# Altium PCB 6S_SERVO_MODULE.PcbDoc (part 1 of 2)
Units mm, origin at the board's own origin, x right, y up, seen from the top; angles counter-clockwise.
Board outline 69.5 x 39 mm, 4 copper layers (L01_SIG, L02_GND, L03_SIG, L04_GND), stack 0.603 mm thick; 92 components, 60 nets, 311 pads, 423 vias.
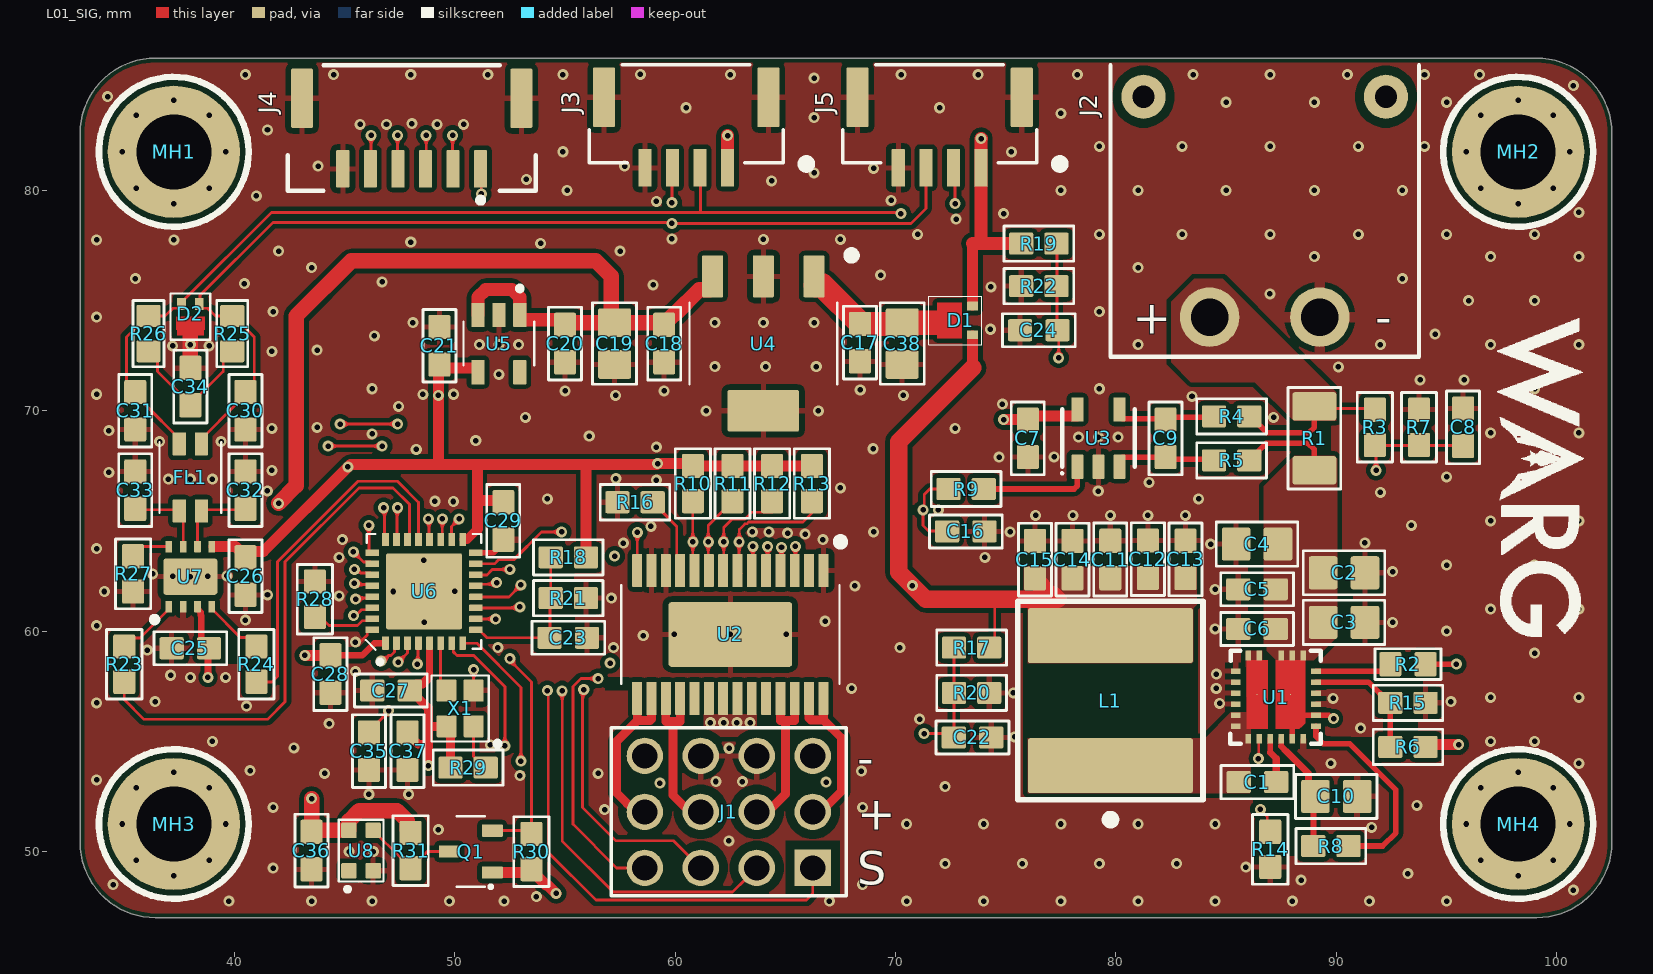
[diagram p0: L01_SIG view]
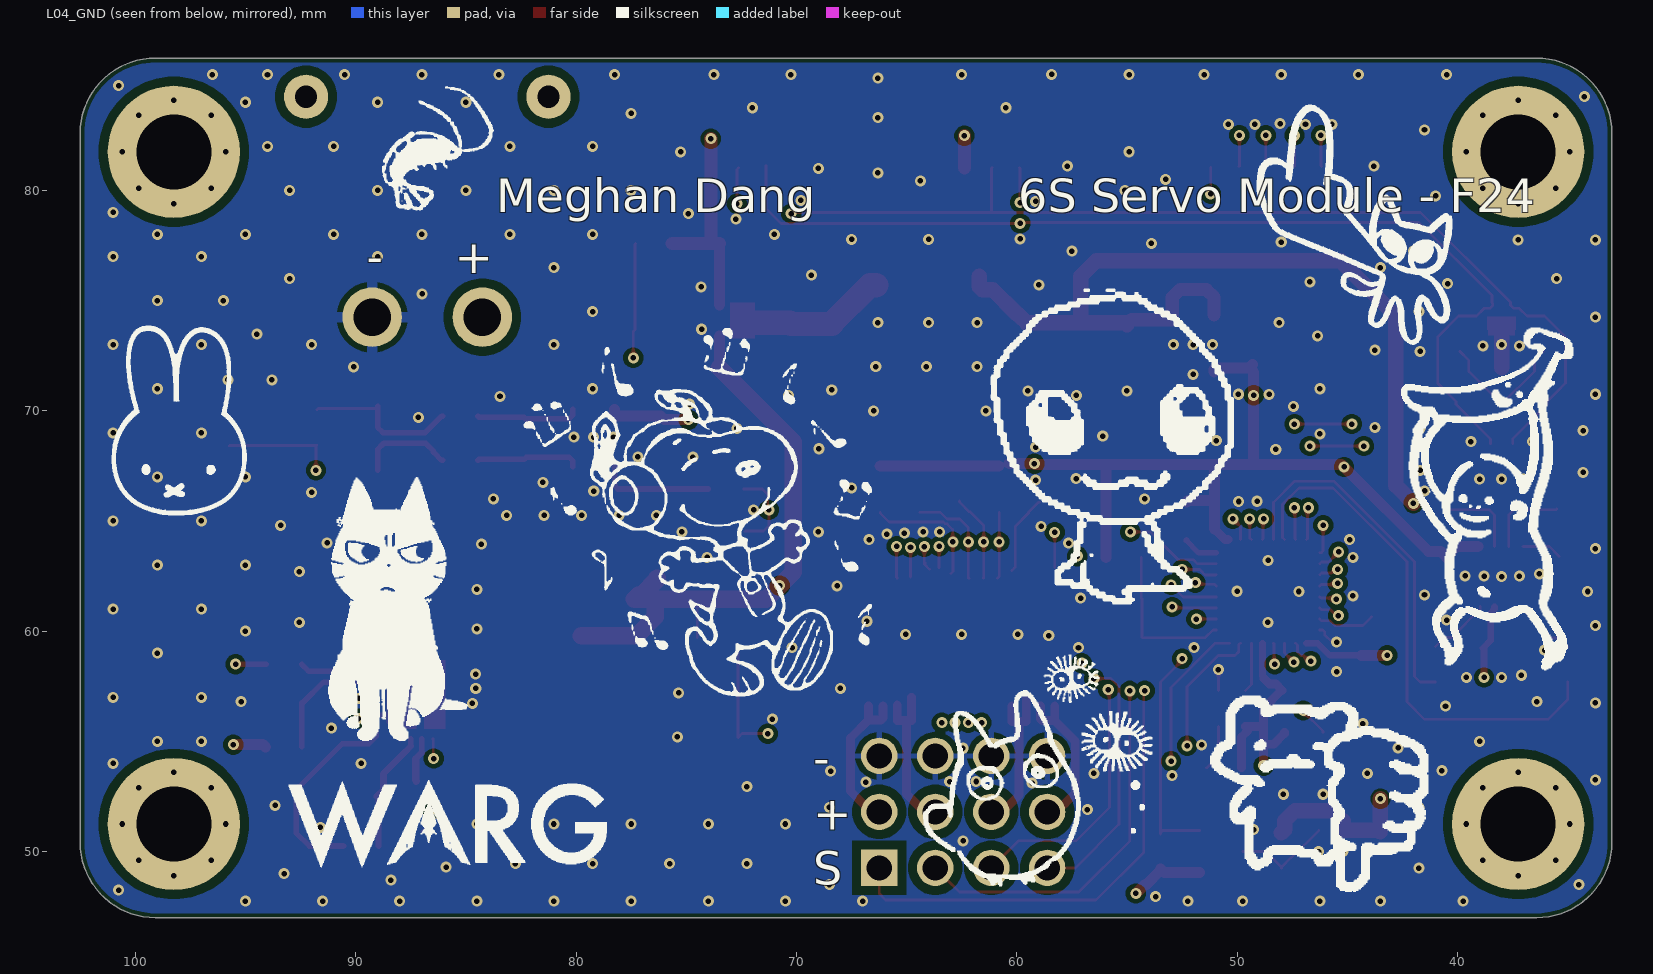
[diagram p1: L04_GND view, seen from below]
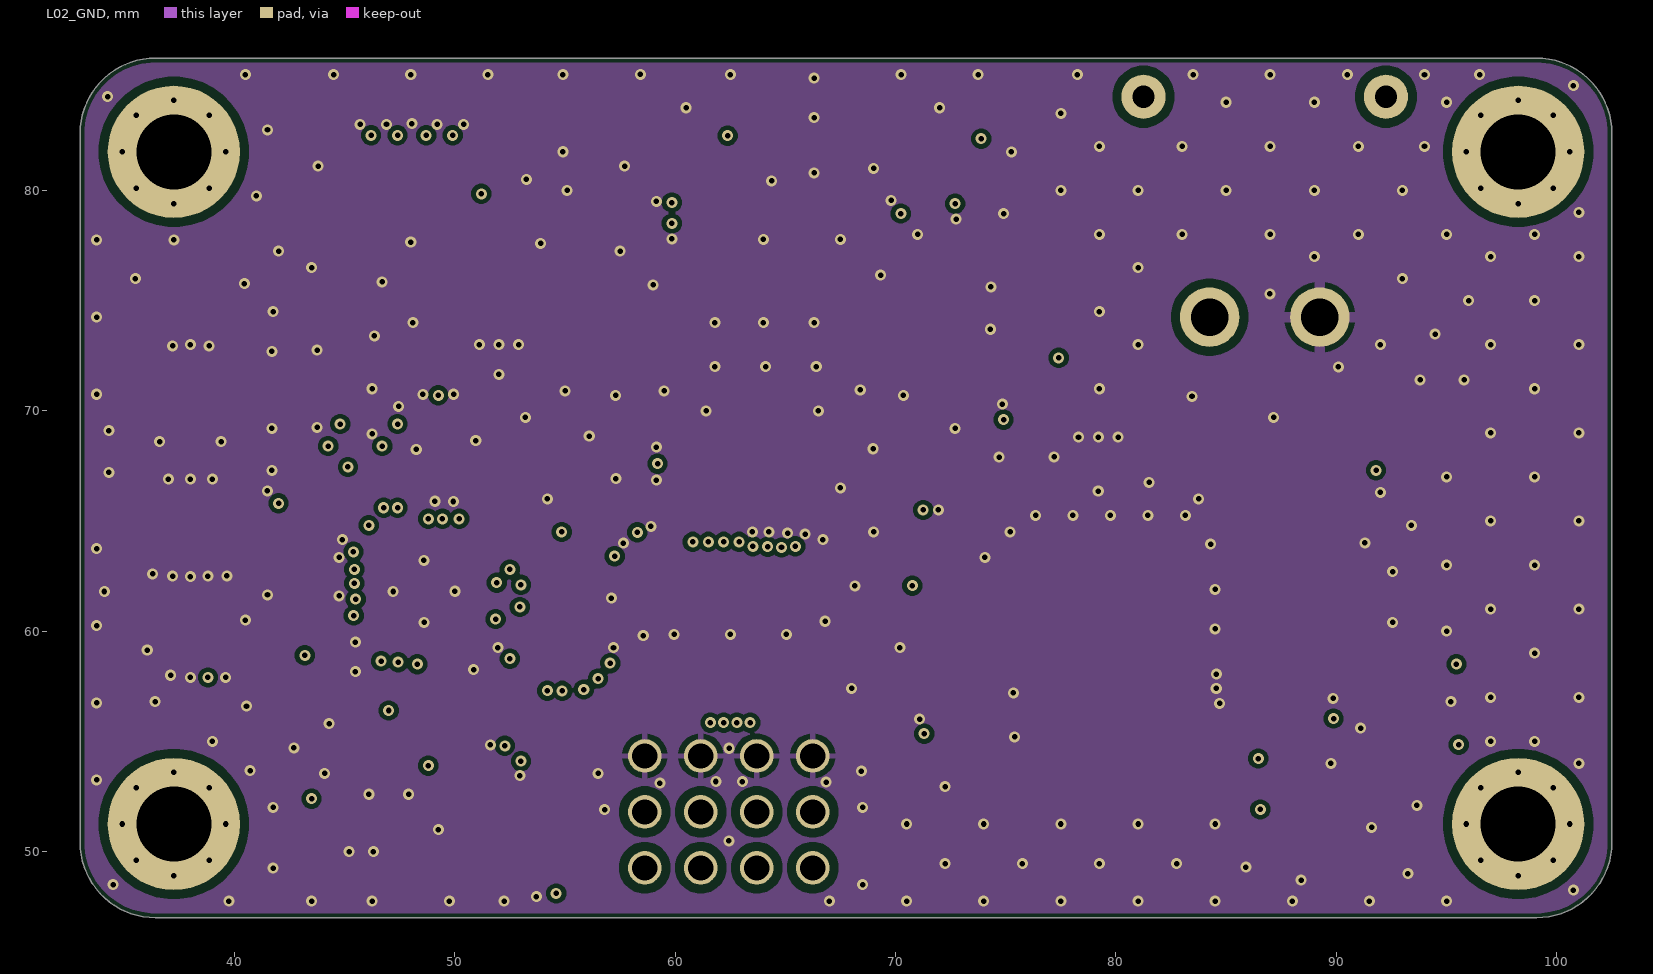
[diagram p2: L02_GND]
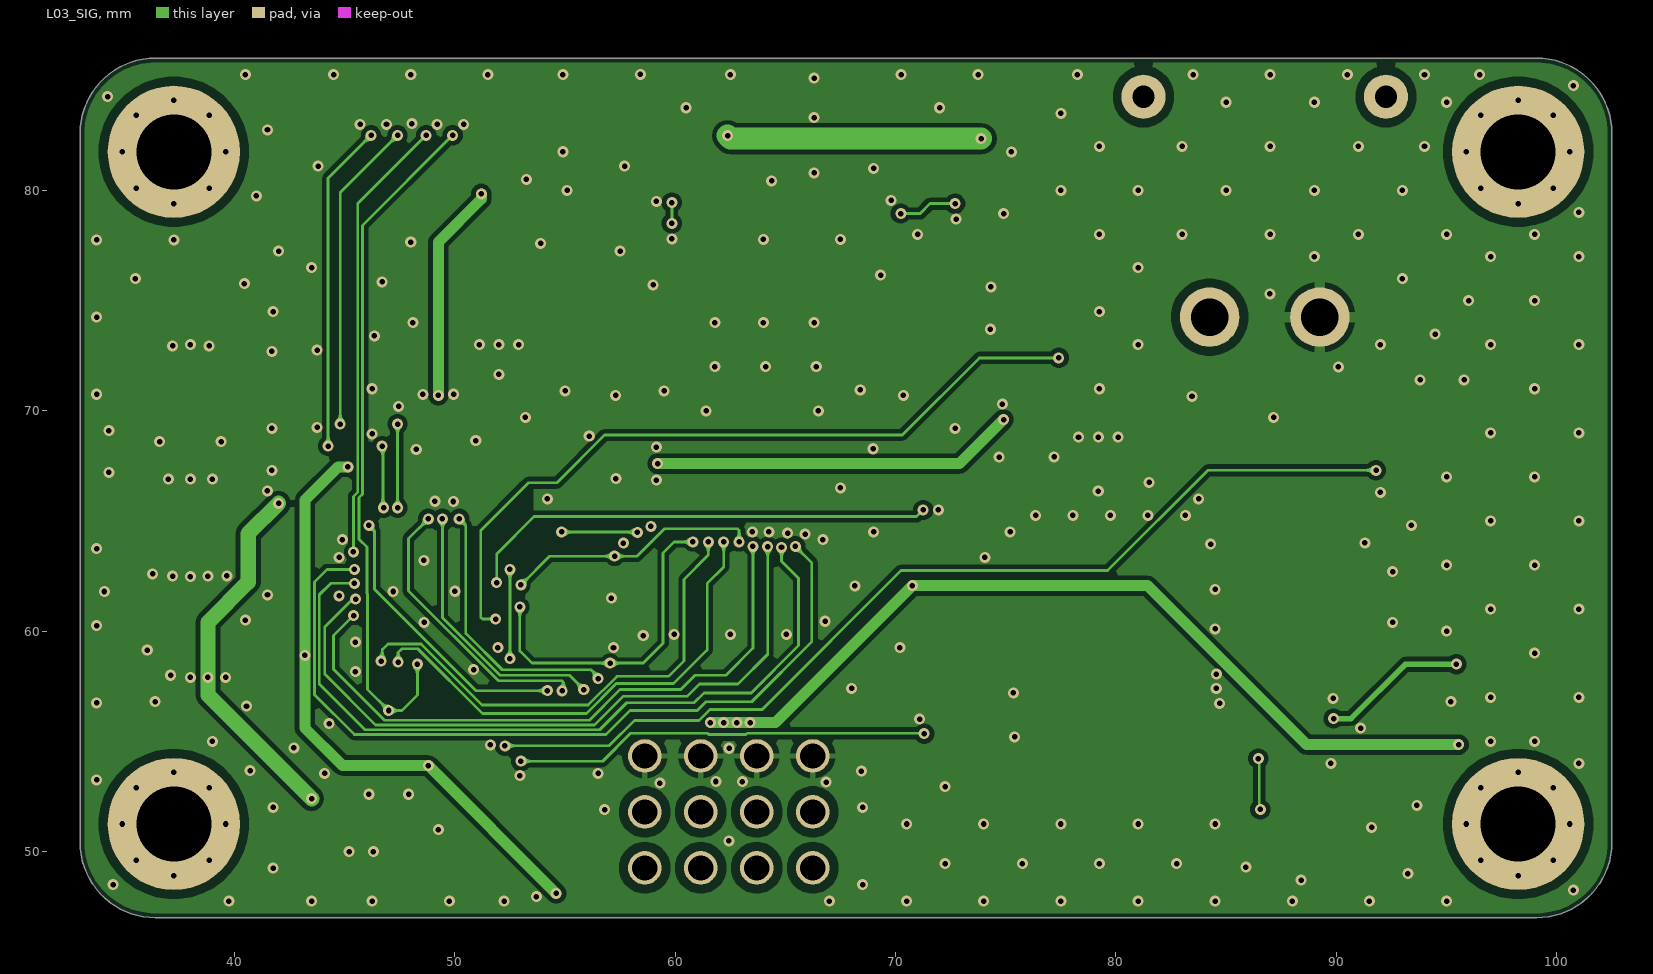
[diagram p3: L03_SIG]
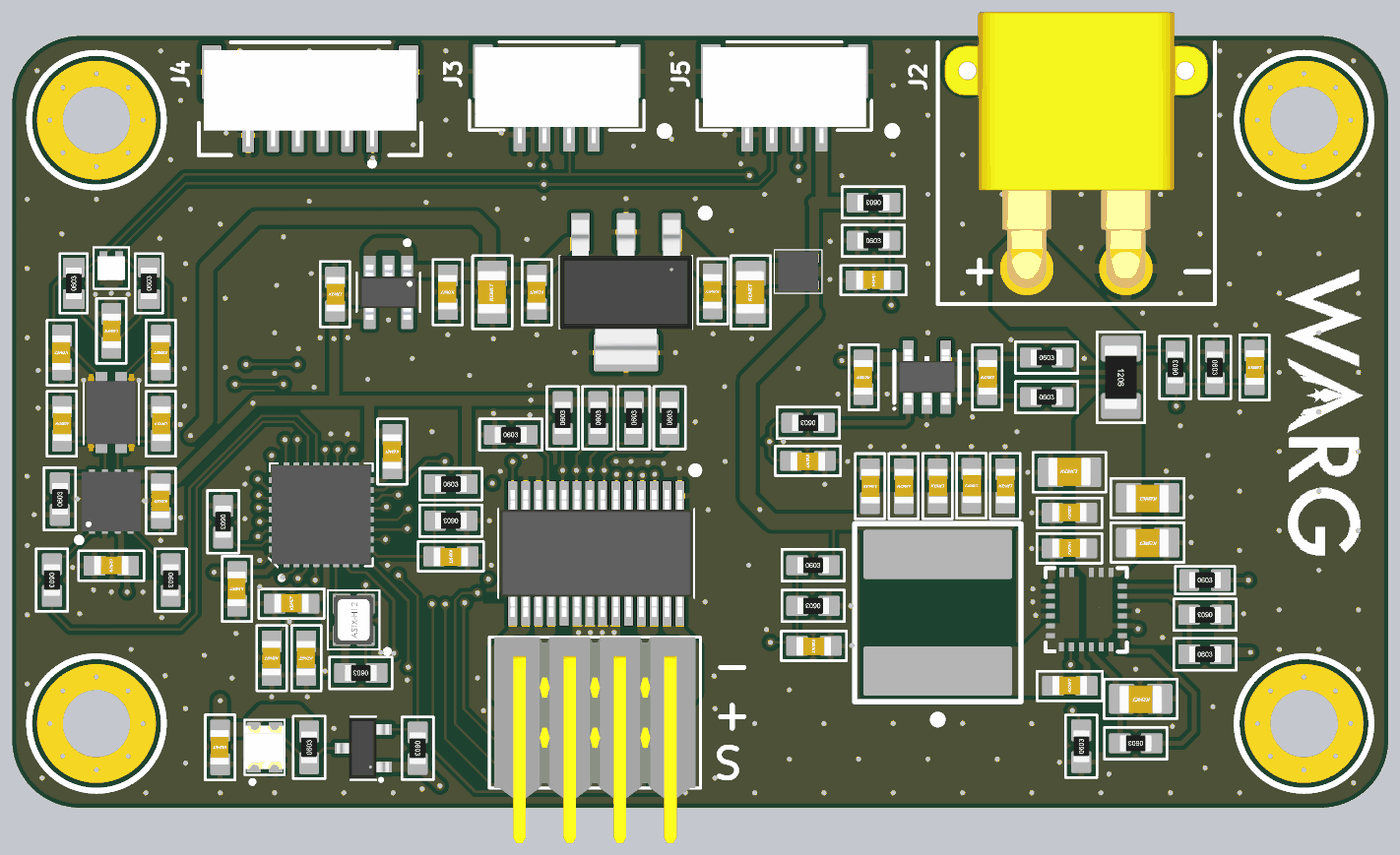
[diagram p5: 3D render of the assembled board from above, using the file's embedded part models]

## Layer stack, top to bottom
Top Solder: solder mask 0.0102, Solder Resist, Dk 3.5
L01_SIG: signal copper 0.035
Dielectric 2: prepreg 0.0711, PP-006, Dk 4.1
L02_GND: signal copper 0.0356
Dielectric 1: dielectric 0.32, FR-4, Dk 4.8
L03_SIG: signal copper 0.0356
Dielectric 3: prepreg 0.0711, PP-006, Dk 4.1
L04_GND: signal copper 0.035
Bottom Solder: solder mask 0.0102, Solder Resist, Dk 3.5

## Board outline
33,50.414 33,82.5 33,82.586 cw(c36.414,82.586) 36.414,86 99.086,86 cw(c99.086,82.586) 102.5,82.586 102.5,50.414 cw(c99.086,50.414) 99.086,47 36.414,47 cw(c36.414,50.414)

## Design rules (kind name [scope] priority, off if disabled: settings)
BoardOutlineClearance [All] p1: gap=0.2 ignorepadtopadclearanceinfootprint=FALSE except(0.4: Arc-SplitBarrior Arc-SplitContinuation Track-SplitBarrior Track-SplitContinuation SMDPad-SplitBarrior SMDPad-SplitContinuation THPad-SplitBarrior THPad-SplitContinuation Via-SplitBarrior Via-SplitContinuation Fill-SplitBarrior Fill-SplitContinuation Poly-SplitBarrior Poly-SplitContinuation Region-SplitBarrior Region-SplitContinuation Text-SplitBarrior Text-SplitContinuation)
Clearance [All] p1: gap=0.2 ignorepadtopadclearanceinfootprint=FALSE except(0.089: Arc-Arc Arc-Track Track-Track; 0.125: Arc-Via Track-Via SMDPad-Via THPad-Via Via-Via; 0.127: SMDPad-SMDPad; 0.15: Arc-Text Track-Text SMDPad-Text THPad-Text Via-Text Fill-Text Poly-Text Region-Text Text-Text; 0.254: Arc-Hole Track-Hole SMDPad-Hole THPad-Hole Via-Hole Fill-Hole Poly-Hole Region-Hole Text-Hole; 0.4: THPad-Fill THPad-Poly THPad-Region)
ComponentClearance [All] p1: gap=0.254 collisioncheckmode=3 verticalgap=0.254 showdistances=FALSE donotcheckwithout3dbody=TRUE
HoleSize [All] p1: absolutevalues=TRUE maxlimit=6.3 minlimit=0.2 maxpercent=80.000 minpercent=20.000
MinimumAnnularRing [All] p1: minimumring=0.076
MinimumSolderMaskSliver [All] p1: minsoldermaskwidth=0.05
PasteMaskExpansion [All] p1: expansion=0 percent=-40.000000
PolygonConnect [HasFootprint('CONN PLUG 60POS SMD GOLD-CONTROLLER BOARD') or InNet('GND')] p1: connectstyle=Relief reliefconductorwidth=0.254 reliefentries=4 polygonreliefangle="90 Angle" airgapwidth=0.254
PolygonConnect PolygonConnect_1 [All] p2: connectstyle=Direct reliefconductorwidth=0.508 reliefentries=4 polygonreliefangle="90 Angle" airgapwidth=0.254
RoutingCorners [All] p1: cornerstyle=Round minsetback=2.54 maxsetback=2.54
RoutingVias [All] p1: holewidth=0.3 width=0.5 viastyle="Through Hole" minholewidth=0.2 minwidth=0.41 maxholewidth=1 maxwidth=2
SilkToSilkClearance [All] p1: silktosilkclearance=0.1
SilkToSolderMaskClearance [IsPad] p1: minsilkscreentomaskgap=0.03 clearancetoexposedcopper=TRUE
SolderMaskExpansion ViaSolderMaskExpansion [IsVia] p1: expansion=0.102 istentingtop=TRUE
SolderMaskExpansion [All] p2: expansion=0 istentingtop=FALSE
SupplyNets "Schematic Supply Nets_7" [InNet('VBATT_SENSE')] p1: voltage=0.000
SupplyNets "Schematic Supply Nets_6" [InNet('VIN_5V')] p2: voltage=0.000
SupplyNets "Schematic Supply Nets_5" [InNet('GND')] p3: voltage=0.000
SupplyNets "Schematic Supply Nets_4" [InNet('PWR_5V')] p4: voltage=0.000
SupplyNets "Schematic Supply Nets_3" [InNet('PWR_6V_DIODE_OUT')] p5: voltage=0.000
SupplyNets "Schematic Supply Nets_2" [InNet('PWR_3V3')] p6: voltage=0.000
SupplyNets "Schematic Supply Nets_1" [InNet('PWR_6V')] p7: voltage=0.000
SupplyNets "Schematic Supply Nets" [InNet('VBATT')] p8: voltage=0.000
Width [All] p1: maxlimit=2.54 minlimit=0.089 preferedwidth=0.127
23 further rules are at their usual default settings.

## Classes and differential pairs
component class Power: C1 C2 C3 C4 C5 C6 C7 C8 C9 C10 C11 C12 C13 C14 C15 C16 C17 C18 C19 C20 C21 C22 C23 C24 C38 D1 L1 R1 R2 R3 R4 R5 R6 R7 R8 R9 R10 R11 R12 R13 R14 R15 R16 R17 R18 R19 R20 R21 R22 U1 U2 U3 U4 U5
component class Connectors: J1 J2 J3 J4 J5 MH1 MH2 MH3 MH4
component class CanCircuit: C25 C26 C27 C28 C29 C30 C31 C32 C33 C34 C35 C36 C37 D2 FL1 Q1 R23 R24 R25 R26 R27 R28 R29 R30 R31 U6 U7 U8 X1

## Components (designator, comment, footprint, x,y, rotation, side; value= is the part's Value field where it differs from the comment)
C1 "GCM188R71H104KA57D" .CAP_0603-Footprint-1 86.419,53.15 r0 top
C2 "GRM21BZ71H475KE15K" .CAP_0805-Footprint-1 90.35,62.65 r180 top
C3 "GRM21BZ71H475KE15K" .CAP_0805-Footprint-1 90.35,60.4 r180 top
C4 "GRM21BZ71H475KE15K" .CAP_0805-Footprint-1 86.4,63.95 r0 top
C5 "GMC10X7R105K50NT" .CAP_0603-Footprint-1 86.4,61.9 r0 top
C6 "GCM188R71H104KA57D" .CAP_0603-Footprint-1 86.4,60.1 r0 top
C7 "GCM188R71H104KA57D" .CAP_0603-Footprint-1 76,68.75 r90 top
C8 "CC0603KRX7R9BB203" .CAP_0603-Footprint-1 95.75,69.25 r270 top
C9 ".CAP_0603_DNP" .CAP_0603-Footprint-1 82.25,68.75 r270 top value=DNP
C10 "GRM21BZ71H475KE15K" .CAP_0805-Footprint-1 90,52.5 r180 top
C11 "CL10B104KA8NNNC" .CAP_0603-Footprint-1 79.741,63.252 r270 top
C12 "GCM188R71E105KA64D" .CAP_0603-Footprint-1 81.446,63.267 r270 top
C13 "GRM188R61E106KA73J" .CAP_0603-Footprint-1 83.157,63.257 r270 top value=10uF
C14 "GCM188R71E105KA64D" .CAP_0603-Footprint-1 78.026,63.247 r270 top
C15 "CL10B104KA8NNNC" .CAP_0603-Footprint-1 76.325,63.245 r270 top
C16 "CC0603KRX7R9BB103" .CAP_0603-Footprint-1 73.19,64.527 r180 top value=10nF
C17 "GCM188R71E105KA64D" .CAP_0603-Footprint-1 68.382,73.094 r90 top
C18 "GCM188R71E105KA64D" .CAP_0603-Footprint-1 59.5,73.05 r90 top
C19 "GMC21X7R106K25NT" .CAP_0805-Footprint-1 57.25,73.05 r90 top
C20 "GCM188R71E105KA64D" .CAP_0603-Footprint-1 55,73.05 r90 top
C21 "GCM188R71E105KA64D" .CAP_0603-Footprint-1 49.3,72.95 r270 top
C22 "CC0603KRX7R9BB203" .CAP_0603-Footprint-1 73.49,55.177 r180 top
C23 "CC0603KRX7R8BB683" .CAP_0603-Footprint-1 55.15,59.7 r180 top value=68nF
C24 "CC0603KRX7R9BB203" .CAP_0603-Footprint-1 76.5,73.655 r0 top
C25 "CL10B104KA8NNNC" .CAP_0603-Footprint-1 38,59.225 r0 top
C26 "CL10B104KA8NNNC" .CAP_0603-Footprint-1 40.5,62.5 r90 top
C27 "GCM188R71C104KA37D" .CAP_0603-Footprint-1 47.103,57.306 r0 top value=0.1uF
C28 "GCM188R71C104KA37D" .CAP_0603-Footprint-1 44.353,58.056 r90 top value=0.1uF
C29 "GRM188Z71A475KE15J" .CAP_0603-Footprint-1 52.2,65 r90 top value=4.7uF
C30 "CC0603JRNPO9BN220" .CAP_0603-Footprint-1 40.5,70 r90 top value=22pF
C31 "CC0603JRNPO9BN220" .CAP_0603-Footprint-1 35.5,70 r90 top value=22pF
C32 "CC0603JRNPO9BN220" .CAP_0603-Footprint-1 40.5,66.4 r270 top value=22pF
C33 "CC0603JRNPO9BN220" .CAP_0603-Footprint-1 35.5,66.4 r270 top value=22pF
C34 "GCM188R71H472KA37D" .CAP_0603-Footprint-1 38,71.1 r270 top value=4.7nF
C35 "CL10B104KA8NNNC" .CAP_0603-Footprint-1 46.103,54.556 r90 top
C36 "CL10B104KA8NNNC" .CAP_0603-Footprint-1 43.495,50.044 r90 top
C37 "CC0603KRX7R8BB103" .CAP_0603-Footprint-1 47.853,54.556 r90 top
C38 "GRM21BZ71H475KE15K" .CAP_0805-Footprint-1 70.3,73.05 r90 top
D1 "PMEG2020CPA,115" PMEG2020CPA,115-Footprint-1 72.7,74.1 r270 top
D2 "PESD2CANFD24U-QCZ" PESD2CANFD24U-QCZ-Footprint-1 38,74.475 r0 top
FL1 "ACT1210D-510-2P-TL00" ACT1210D-510-2P-TL00-Footprint-1 38,66.975 r270 top
J1 "TSW-104-08-F-T-RA" TSW-104-08-F-T-RA-Footprint-1 66.24,49.26 r180 top
J2 "XT30PW-M" XT60PW-M-Footprint-1 86.75,74.25 r0 top
J3 "SM04B-GHS-TB(LF)(SN)" CONN_SM04B-GHS-TB_JST 60.5,82.9 r180 top
J4 "SM06B-GHS-TB" SM06B-GHS-TB 48.043,83.254 r180 top
J5 "SM04B-GHS-TB(LF)(SN)" CONN_SM04B-GHS-TB_JST 72,82.9 r180 top
L1 "BWVS008080404R7M00" BWVS008080404R7M00-Footprint-1 79.75,56.85 r180 top
MH1 "M3HOLE-STANDARD" M3HOLE-STANDARD-Footprint-1 37.25,81.75 r0 top locked
MH2 "M3HOLE-STANDARD" M3HOLE-STANDARD-Footprint-1 98.25,81.75 r0 top locked
MH3 "M3HOLE-STANDARD" M3HOLE-STANDARD-Footprint-1 37.25,51.25 r0 top locked
MH4 "M3HOLE-STANDARD" M3HOLE-STANDARD-Footprint-1 98.25,51.25 r0 top locked
Q1 "BSS138" BSS138-Footprint-1 50.725,50 r90 top
R1 "PE1206FRF470R22L" .RES_1206-Footprint-1 89,68.75 r270 top
R2 "RC0603FR-13470KL" RES0603 93.25,58.5 r0 top
R3 "RC0603FR-07130KL" .RES_0603-Footprint-1 91.75,69.25 r90 top value=130k
R4 "RC0603JR-070RL" .RES_0603-Footprint-1 85.25,69.75 r0 top value=0
R5 "RC0603JR-070RL" .RES_0603-Footprint-1 85.25,67.75 r0 top value=0
R6 "RC0603FR-0788K7L" .RES_0603-Footprint-1 93.25,54.75 r0 top
R7 "RC0603FR-0710KL" .RES_0603-Footprint-1 93.75,69.25 r270 top value=10k
R8 "RC0603FR-07100KL" .RES_0603-Footprint-1 89.75,50.25 r180 top
R9 "RC0603FR-0716KL" .RES_0603-Footprint-1 73.2,66.45 r180 top
R10 "RC0603FR-0710KL" .RES_0603-Footprint-1 60.8,66.7 r90 top value=10k
R11 "RC0603FR-0710KL" .RES_0603-Footprint-1 62.6,66.7 r90 top value=10k
R12 "RC0603FR-0710KL" .RES_0603-Footprint-1 64.4,66.7 r90 top value=10k
R13 "RC0603FR-0710KL" .RES_0603-Footprint-1 66.2,66.7 r90 top value=10k
R14 "RC0603FR-078K2L" .RES_0603-Footprint-1 87,50.1 r90 top value=8.2k
R15 "RC0603FR-0710KL" .RES_0603-Footprint-1 93.25,56.75 r180 top value=10k
R16 "RC0603FR-072KL" .RES_0603-Footprint-1 58.177,65.85 r0 top value=2k
R17 "RK73H1JTTD3002F" .RES_0603-Footprint-1 73.45,59.25 r0 top value=30k
R18 "NTCG163JF103FT1" .RES_0603-Footprint-1 55.15,63.35 r0 top value=10k
R19 "RC0603FR-0723K2L" .RES_0603-Footprint-1 76.5,77.587 r180 top value=23.2K
R20 "RC0603FR-0710KL" .RES_0603-Footprint-1 73.45,57.2 r180 top value=10k
R21 "RC0603FR-103K3L" .RES_0603-Footprint-1 55.15,61.5 r180 top value=3.3kR
R22 "RC0603FR-0710KL" .RES_0603-Footprint-1 76.5,75.655 r0 top value=10k
R23 "RC0603FR-0710RL" .RES_0603-Footprint-1 35,58.5 r270 top value=10
R24 "RC0603FR-0710RL" .RES_0603-Footprint-1 41,58.5 r270 top value=10
R25 "RC0603FR-1360R4L" RES0603 39.9,73.5 r90 top value=60.4R
R26 "RC0603FR-1360R4L" RES0603 36.1,73.5 r90 top value=60.4R
R27 "RC0603FR-0710KL" .RES_0603-Footprint-1 35.4,62.6 r90 top value=10k
R28 "RC0603FR-0710KL" .RES_0603-Footprint-1 43.65,61.45 r270 top value=10k
R29 "RC0603FR-0710KL" .RES_0603-Footprint-1 50.603,53.806 r180 top value=10k
R30 "RC0603FR-0710KL" .RES_0603-Footprint-1 53.475,50 r270 top value=10k
R31 "RC0603FR-0710KL" .RES_0603-Footprint-1 47.995,50.044 r90 top value=10k
U1 "AOZ2261NQI-12" AOZ2261NQI-12-Footprint-1 87.25,57.11 r180 top
U2 "TPS4H160AQPWPRQ1" TPS4H160AQPWPRQ1-Footprint-1 62.5,59.85 r270 top
U3 "INA180A3IDBVR" INA180A3IDBVR-Footprint-1 79.25,68.75 r90 top
U4 "MCP1825ST-5002E/DB" SOT-223-3 64,73.05 r270 top
U5 "TLV75533PDBVR" SOT-23-5 52,73.05 r270 top
U6 "STM32L431KCU6" STM32L431KCU6-Footprint-1 48.603,61.806 r90 top
U7 "TJA1051TK/3,118" TJA1051TK_3,118-Footprint-1 38,62.475 r90 top
U8 "WS2812B-2020" WS2812B-2020-Footprint-1 45.745,50.044 r270 top
X1 "ASDDV-8.000MHZ-LR-T" ASDDV-8.000MHZ-LR-T-Footprint-1 50.241,56.493 r90 top

## Footprints (in the part's own frame and the unit in brackets; to place one, negate y for a bottom-side part, rotate by r counter-clockwise, add the part's x,y. Pads: shape width x height; smd on the part's side, far side on the other; paste and mask are expansions set on the pad)
.CAP_0603-Footprint-1 [mm]
  rrect15% 1.1x1 smd: 1(-0.85,0) 2(0.85,0)
  silkscreen extent -1.65,-0.75 1.65,0.75, body extent -0.87,-0.45 0.87,0.5, height 0.87
.CAP_0805-Footprint-1 [mm]
  rrect15% 1.3x1.5 smd: 1(-0.95,0) 2(0.95,0)
  silkscreen extent -1.85,-1 1.85,1, body extent -1.1,-0.7 1.1,0.75, height 1.39
.RES_0603-Footprint-1 [mm]
  rrect15% 1.1x1 smd: 1(-0.8,0) 2(0.8,0)
  silkscreen extent -1.58,-0.8 1.58,0.8, body extent -0.8,-0.4 0.8,0.4, height 0.46
.RES_1206-Footprint-1 [mm]
  rrect20% 1.3x2 smd: 1(-1.45,0) 2(1.45,0)
  silkscreen extent -2.3,-1.2 2.3,1.2, body extent -1.6,-0.8 1.6,0.8, height 0.61
ACT1210D-510-2P-TL00-Footprint-1 [mm]
  rrect10% 1.05x0.6 smd: 1(-1.525,0.5) 2(-1.525,-0.5) 3(1.525,-0.5) 4(1.525,0.5)
  silkscreen extent -1.6,-1.4 1.6,1.4, body extent -1.95,-1.25 1.95,1.25, height 2.5
AOZ2261NQI-12-Footprint-1 [mm]
  rect 0.45x0.25 smd: 1(-1.825,1.42) 2(-1.825,0.92) 3(-1.825,0.42) 4(-1.825,-0.08) 5(-1.825,-0.58) 6(-1.825,-1.08) 12(1.815,-1.08) 13(1.815,-0.58) 14(1.815,-0.08) 15(1.815,0.42) 16(1.815,0.92) 17(1.815,1.42)
  rect 0.25x0.45 smd: 7(-1.25,-1.78) 8(-0.75,-1.78) 9(-0.25,-1.78) 10(0.74,-1.78) 11(1.24,-1.78) 18(1.25,1.99) 19(0.75,1.99) 20(0.25,1.99) 21(-0.25,1.99) 22(-0.75,1.99) 23(-1.25,1.99)
  round 0.025 smd: 7(-0.665,-0.015) 10(0.845,-0.015)
  L01_SIG region: -1.33,-1.575 -1.33,1.29 -1.198,1.423 -1.075,1.545 0,1.545 0,-1.575
  L01_SIG region: 0.37,-1.575 1.32,-1.575 1.32,1.545 0.37,1.545
  silkscreen extent -2.05,-2 2.06,2.22
ASDDV-8.000MHZ-LR-T-Footprint-1 [mm]
  rrect10% 1x0.9 smd: 1(-0.813,-0.613) 2(0.813,-0.613) 3(0.813,0.613) 4(-0.813,0.613)
  silkscreen extent -1.7,-1.8 1.5,1.3, body extent -1.25,-1 1.25,1, height 0.91
BSS138-Footprint-1 [mm]
  rrect10% 0.56x0.95 smd: D(0,0.975) G(-0.95,-0.975) S(0.95,-0.975)
  silkscreen extent -1.62,-0.93 1.6,0.65, body extent -1.52,-1.29 1.53,1.35, height 1.12
BWVS008080404R7M00-Footprint-1 [mm]
  rrect10% 7.5x2.5 smd: 1(0,2.95) 2(0,-2.95)
  silkscreen extent -4.2,-4.5 4.2,5.6, body extent -4,-4 4,4, height 4
CONN_SM04B-GHS-TB_JST [mm]
  rrect10% 0.6x1.7 smd: 1(-1.875,1.876) 2(-0.625,1.876) 3(0.625,1.876) 4(1.875,1.876)
  rrect10% 1x2.7 smd: 5(-3.725,-1.324) 6(3.725,-1.324)
  silkscreen extent -5.65,-2.8 4.4,1.9, body extent -4.13,-2.55 4.13,2.3, height 4.25
INA180A3IDBVR-Footprint-1 [mm]
  rrect15% 1.1x0.55 smd: 1(-1.287,0.995) 2(-1.287,0.045) 3(-1.287,-0.905) 5(1.313,0.995)
  rrect15% 1.1x0.55 smd mask+0.05: 4(1.313,-0.905)
  silkscreen extent -1.64,-1.61 1.31,1.74, body extent -1.39,-1.41 1.41,1.49, height 1.2
M3HOLE-STANDARD-Footprint-1 [mm]
  round 6 hole 3.4: 1(0,0)
  silkscreen extent -3.4,-3.4 3.4,3.4
PESD2CANFD24U-QCZ-Footprint-1 [mm]
  rrect10% 0.4x0.55 smd: 1(0.4,0.375) 2(-0.4,0.375)
  round 0.025 smd: 3(0,-0.5)
  L01_SIG region: -0.6,-1.05 -0.6,-0.8 -0.65,-0.8 -0.65,-0.2 0.65,-0.2 0.65,-0.8 0.6,-0.8 0.6,-1.05 0.2,-1.05 0.2,-0.8 -0.2,-0.8 -0.2,-1.05
  silkscreen extent -0.9,-1.25 0.9,0.85, body extent -0.7,-0.82 0.7,0.4, height 0.49
PMEG2020CPA,115-Footprint-1 [mm]
  rrect10% 0.4x0.5 smd mask+0.05: 1(0.65,0.8) 2(-0.65,0.8)
  round 0.025 smd mask+0.05: 3(0,-0.3)
  L01_SIG region: -0.2,-1.05 -0.2,-0.8 -0.8,-0.8 -0.8,0.3 0.8,0.3 0.8,-0.8 0.2,-0.8 0.2,-1.05
  silkscreen extent -1.1,-1.2 1.1,1.2, body extent -1,-1 1,1, height 0.66
RES0603 [mm] "SMT Resistor 0603"
  rrect15% 1x1.1 smd: 1(-0.8,0) 2(0.8,0)
  silkscreen extent -1.5,-0.7 1.5,0.7, body extent -0.8,-0.4 0.8,0.4, height 0.46
SM06B-GHS-TB [mm]
  rrect15% 0.6x1.7 smd paste+0 mask+0.05: 1(-3.125,2.275) 2(-1.875,2.275) 3(-0.625,2.275) 4(0.625,2.275) 5(1.875,2.275) 6(3.125,2.275)
  rrect15% 1x2.7 smd paste+0 mask+0.05: 7(-4.975,-0.925) 8(4.975,-0.925)
  silkscreen extent -5.63,-2.42 5.63,3.82, body extent -5.58,-2.37 5.58,3.22, height 0.25
SOT-23-5 [mm]
  rrect10% 1.1x0.6 smd: 1(-1.3,0.95) 2(-1.3,0) 3(-1.3,-0.95) 4(1.3,-0.95) 5(1.3,0.95)
  silkscreen extent -2.61,-1.6 1,1.6, body extent -1.4,-1.45 1.4,1.45, height 1.45
SOT-223-3 [mm]
  rrect10% 1.9x0.95 smd mask+0.05: 1(-3.05,2.3) 2(-3.05,0) 3(-3.05,-2.3)
  rrect10% 1.9x3.25 smd mask+0.05: 4(3.05,0)
  silkscreen extent -4.15,-3.35 1.85,4.15, body extent -3.65,-3.35 3.65,3.35, height 1.8
STM32L431KCU6-Footprint-1 [mm]
  rrect10% 0.6x0.3 smd: 1(-2.35,1.75) 2(-2.35,1.25) 3(-2.35,0.75) 4(-2.35,0.25) 5(-2.35,-0.25) 6(-2.35,-0.75) 7(-2.35,-1.25) 8(-2.35,-1.75) 17(2.35,-1.75) 18(2.35,-1.25) 19(2.35,-0.75) 20(2.35,-0.25) 21(2.35,0.25) 22(2.35,0.75) 23(2.35,1.25) 24(2.35,1.75)
  rrect10% 0.3x0.6 smd: 9(-1.75,-2.35) 10(-1.25,-2.35) 11(-0.75,-2.35) 12(-0.25,-2.35) 13(0.25,-2.35) 14(0.75,-2.35) 15(1.25,-2.35) 16(1.75,-2.35) 25(1.75,2.35) 26(1.25,2.35) 27(0.75,2.35) 28(0.25,2.35) 29(-0.25,2.35) 30(-0.75,2.35) 31(-1.25,2.35) 32(-1.75,2.35)
  rrect5% 3.45x3.45 smd paste-2539.97: 33(0,0)
  silkscreen extent -3.3,-2.6 2.6,2.65, body extent -2.5,-2.5 2.5,2.5, height 0.61
TJA1051TK_3,118-Footprint-1 [mm]
  rrect15% 0.525x0.3 smd: 1(-1.362,0.975) 2(-1.362,0.325) 3(-1.362,-0.325) 4(-1.362,-0.975) 5(1.362,-0.975) 6(1.362,-0.325) 7(1.362,0.325) 8(1.362,0.975)
  rrect15% 1.65x2.45 smd: 9(0,0)
  silkscreen extent -2.08,1.5 -1.82,1.75, body extent -1.5,-1.5 1.5,1.5, height 1.01
TPS4H160AQPWPRQ1-Footprint-1 [mm]
  rrect10% 1.5x0.45 smd mask+0.05: 1(-2.9,4.225) 2(-2.9,3.575) 3(-2.9,2.925) 4(-2.9,2.275) 5(-2.9,1.625) 6(-2.9,0.975) 7(-2.9,0.325) 8(-2.9,-0.325) 9(-2.9,-0.975) 10(-2.9,-1.625) 11(-2.9,-2.275) 12(-2.9,-2.925) 13(-2.9,-3.575) 14(-2.9,-4.225) 15(2.9,-4.225) 16(2.9,-3.575) 17(2.9,-2.925) 18(2.9,-2.275) 19(2.9,-1.625) 20(2.9,-0.975) 21(2.9,-0.325) 22(2.9,0.325) 23(2.9,0.975) 24(2.9,1.625) 25(2.9,2.275) 26(2.9,2.925) 27(2.9,3.575) 28(2.9,4.225)
  rrect10% 2.94x5.62 smd paste-2539.97 mask-2539.97: 29(0,0)
  silkscreen extent -4.3,-4.95 2.25,5.1, body extent -3.2,-4.85 3.2,4.85, height 1.13
TSW-104-08-F-T-RA-Footprint-1 [mil]
  rect 65x65 / inner round 60 / far side rect 65x65 hole 45 paste-99999 mask+0: 1(0,0)
  round 65 / inner round 60 / far side round 65 hole 45 paste-99999 mask+0: 2(0,-100) 3(0,-200) 4(100,0) 5(100,-100) 6(100,-200) 7(200,0) 8(200,-100) 9(200,-200) 10(300,0) 11(300,-100) 12(300,-200)
  silkscreen extent -60,-250 360,50, body extent -50,-250 350,160, height 373
WS2812B-2020-Footprint-1 [mm]
  rrect15% 0.7x0.7 smd: 1(0.915,-0.55) 2(0.915,0.55) 3(-0.915,0.55) 4(-0.915,-0.55)
  silkscreen extent -1.4,-1.02 1.85,1.02, body extent -1.1,-1 1.1,1, height 0.85
XT60PW-M-Footprint-1 [mm] "XT60PW-M-Footprint-1"
  round 2.7 hole 1.7: 1(-2.5,0) 2(2.5,0)
  round 2 hole 1: MH0(-5.5,10) MH1(5.5,10)
  silkscreen extent -7,-1.8 7,11.43, body extent -6.65,-1 6.65,12.95, height 5

## Part data
C1 C6 C7: library part CMP-00047-3, "CAP CER 0.1uF 50V X7R 0603", Capacitance=100nF, Case Code (Imperial)=0603, Dielectric=X7R, Tolerance=10%, Voltage=50V, Mount="Surface Mount"
C2 C3 C4 C10 C38: library part CMP-080-000000-3, "CAP CER 4.7uF ±10% 50V X7R 0805", Capacitance="4.7 uF", Mfr_Name=Murata, Rated Voltage=50V, Temperature Coefficient=X7R, Tolerance=±10%, ComponentLink1Description=Digikey, ComponentLink1URL=https://www.digikey.ca/en/products/detail/murata-electronics/GRM21BZ71H475KE15K/13904908, Design Item ID=GRM21BZ71H475KE15K, Source=GRM21BZ71H475KE15K.SchLib
C5: library part CMP-00272-1, "CAP0603 X7R 1UF 10% 50V", Capacitance=1uF, Package Size=0603, Temperature Coefficient=X7R, Tolerance=10%, Voltage Rating=50V
C8 C22 C24: library part CMP-00278-1, "CAP CER 0.02UF 50V X7R 0603", Capacitance=20nF, Temperature Coefficient=X7R, Voltage Rating=50V, Size Code=0603
C9: library part CMP-001-00022-4, "DNP 0603 Capacitor"
C11 C15 C25 C26 C35 C36: library part CMP-00057-2, "CAP CER 0.1UF 25V X7R 0603", Capacitance=100nF, Case/Package=0603, Dielectric=X7R, Tolerance=10%, Voltage Rating=25V
C12 C14 C17 C18 C20 C21: library part CMP-00240-2, "CAP CER 1UF 25V X7R 0603", Capacitance=1uF, Temperature Coefficient=X7R, Tolerance=10%, Voltage Rating=25V, Mounting Technology="Surface Mount"
C13: library part CMP-00056-4, "CAP CER 10UF 25V X5R 0603", Case/Package=0603, Temperature Coefficient=X5R, Voltage Rating=25V
C16: library part CMP-00271-1, "CAP CER 10000PF 50V X7R 0603", Case/Package=0603, Dielectric Material=Ceramic, Rated DC Voltage (URdc)=50V, Temperature Characteristics Code=X7R
C19: library part CMP-00241-5, "CAP CER 10UF 25V X7R 0805", Capacitance=10uF, Temperature Coefficient=X7R, Tolerance=10%, Voltage Rating=25V
C23: library part CMP-00307-1, "CAP CER 0.068UF 25V X7R 0603", Case/Package=0603, Dielectric Material=Ceramic, Rated DC Voltage (URdc)=25V, Temperature Characteristics Code=X7R, Tolerance (fill in as +-)=10%, Mounting Technology="Surface Mount", Reach SVHC Compliant=Yes
C27 C28: library part CMP-001-00003-9, "CAP CER 100nF 16V X7R 0603", Capacitance=100nF, Package=0603, Temperature Coefficient=X7R, Voltage=16V
C29: library part CMP-001-00045-2, "CAP CER 4.7UF 10V X7R 0603", Capacitance=4.7uF, Package=0603, Temperature Coefficient=X7R, Voltage=10V
C30 C31 C32 C33: library part CMP-00246-3, "CAP CER 22PF 50V C0G/NPO 0603", Package=0603, Temperature Coefficient=C0G,NP0, Tolerance=5%, Voltage=50V
C34: library part CMP-001-00080-1, "CAP CER 4700PF 50V X7R 0603", Capacitor Type=Ceramic, Case/Package=0603, Max Operating Temperature=125°C, Min Operating Temperature=-55°C, Package Shape=Rectangular, Package Style=SMTMeter, Rated DC Voltage (URdc)=50V, Temperature Characteristics Code=X7R, Tolerance  (fill in as +-)=10%, Dielectric Material=Ceramic, Height=0.9mm, JESD-609 Code=e3, Length=1.6mm, Mounting Technology="Surface Mount", Multilayer=Yes, Packaging="Tape and Reel", Pins=2, Reach SVHC Compliant=Yes, Reference Standard=AEC-Q200, RoHS Compliant=Yes, Terminal Finish=Nickel, Termination=Wraparound, Tolerance (fill in as +-)=10%, Width=0.8mm
C37: library part CMP-00217-1, "CAP CER 10nF 25V X7R 0603", Capacitance=10nF, Package=0603, Temperature Coefficient=X7R, Voltage Rating=25V
D1: library part CMP-00265-1, "DIODE ARR SCHOTT 20V 2A 3HUSON", Forward Voltage=420mV, Max Power Dissipation=500mW, Rep Pk Reverse Voltage-Max=20V, Diode Type=RECTIFIER, Technology=SCHOTTKY
D2: library part CMP-00239-5, "TVS DIODE 24VWM 43VC DFN1412D-3"
FL1: library part CMP-00243-2, "CMC 50UH 115MA 2LN 2.3KOHM SMD"
J1: library part CMP-002-00007-13, "CONN HEADER R/A 12POS 2.54MM", Manufacturer Series=TSW, Connector Type="BOARD CONNECTOR", Contact Finish - Mating="GOLD FLASH OVER NICKEL", Contact Finish - Termination="Matte Tin (Sn) - with Nickel (Ni) barrier", Contact Gender=Male, Contact Material=Bronze, DIN Conformance=No, Filter Feature=No, IEC Conformance=No, JESD-609 Code=e3, MIL Conformance=No, Mixed Contacts=No, Mounting Style="RIGHT ANGLE", Mounting Technology=Board, Number of Contacts=12, Number of Rows Loaded=3, Option="General Purpose", Reach SVHC Compliant=Yes, RoHS Compliant=Yes, Terminal Pitch=2.54mm, Termination=Solder
J2: library part CMP-00134-3, "Board Mount XT30PW-M 2 Pin Male Connector"
J3 J5: library part CMP-068-000000-5, "Conn Shrouded Header HDR 4 POS 1.25mm Solder RA SMD Reel", Entry Type=R/A, Pins=4, Series=JST-GH
J4: library part CMP-00248-2, "CONN HEADER SMD R/A 6POS 1.25MM", Current Rating=1A, Voltage=50V, Pitch=1.25mm, Positions=6, Rows=1
L1: library part CMP-00268-3, "FIXED IND 4.7UH 5.5A 18 MOHM SMD", Current Rating=5.5A, DC Resistance=18mOhm, Inductance=4.7uH, Tolerance=20%
MH1 MH2 MH3 MH4: library part CMP-00005-4, "Standard M3 Mounting hole as defined by mech team, see confluence for reasonning", Hole Diam=3.4, Plating Diam=6
Q1: library part CMP-00295-3, "MOSFET N-CH 50V 220MA SOT23-3"
R1: library part CMP-00279-1, "RES 0.22 OHM 1% 1W 1206", Rated Power Dissipation=1W, Resistance=0.22R, Tolerance=1%, Size Code=1206
R2: library part CMP-009-00056-1, "RES 470K OHM 1% 1/10W 0603", Max Operating Temperature=155°C, Min Operating Temperature=-55°C, Rated Power Dissipation (P)=100mW, Rated Temperature=70°C, Resistance=470kR, Tolerance=1%, Working Voltage=75V, Mount="Surface Mount", Size Code=0603
R3: library part CMP-00114-2, "RES 130K OHM 1% 1/10W 0603", Case/Package=0603, Power Rating=100mW, Tolerance=1%, Voltage Rating=75V
R4 R5: library part CMP-009-00017-3, "RES 0 OHM 1% 1/10W 0603", Case/Package=0603, Power Rating=100mW
R6: library part CMP-00231-2, "RES 88.7K OHM 1% 1/10W 0603", Package=0603, Power=100mW, Resistance=88.7K, Tolerance=1%
R7 R10 R11 R12 R13 R20 R22 R27 R28 R29 R30 R31: library part CMP-009-00006-5, "RES 10K OHM 1% 1/10W 0603", Package=0603, Power=100mW, Resistance=10k, Tolerance=1%
R8: library part CMP-009-00055-2, "RES 100K OHM 1% 1/10W 0603", Rated Power Dissipation (P)=100mW, Resistance=100k, Tolerance=1%
R9: library part CMP-00093-2, "RES 16K OHM 1% 1/10W 0603", Case/Package=0603, Max Power Dissipation=100mW, Resistance=16K, Tolerance=1%, Voltage Rating=50V
R14: library part CMP-00116-1, "RES 8.2K OHM 1% 1/10W 0603", Case/Package=0603, Power Rating=100mW, Tolerance=1%, Voltage Rating=50V
R15: library part CMP-009-00006-5, "RES 10K OHM 1% 1/10W 0603", Package=0603, Power=1/10W, Resistance=10k, Tolerance=1%
R16: library part CMP-00276-1, "RES 2K OHM 1% 1/10W 0603", Case/Package=0603, Power=100mW, Temperature Coefficient=100ppm/°C, Tolerance=1%
R17: library part CMP-009-00051-1, "RES 30K OHM 1% 1/10W 0603", Manufacturer="KOA Speer Electronics, Inc.", Package=0603, Power=100mW, Temperature Coefficient=100ppm/°C, Tolerance=1%, Manufacturer Part Number=RK73H1JTTD3002F
R18: library part CMP-00262-2, "THERMISTOR NTC 10KOHM 3380K 0603", Case/Package=0603, Max Operating Temperature=125°C, Min Operating Temperature=-40°C, Resistor Type="NTC THERMISTOR", Tolerance=1%
R19: library part CMP-00282-1, "RES 23.2K OHM 1% 1/10W 0603", Case/Package=0603, Power=100mW, Temperature Coefficient=100ppm/°C, Tolerance=1%
R21: library part CMP-00168-2, "RES 3.3K OHM 1% 1/10W 0603", Case/Package=0603, Power=100mW, Rated Temperature=70°C, Tolerance=1%, Working Voltage=75V
R23 R24: library part CMP-009-00084-2, "RES 10 OHM 1% 1/10W 0603", Package=0603, Power=100mW, Resistance=10, Tolerance=1%
R25 R26: library part CMP-00245-1, "RES 60.4 OHM 1% 1/10W 0603", Power=100mW, Tolerance=1%
U1: library part CMP-002-000007-6, "IC REG BUCK ADJ 8A 23QFNB", Max Input Voltage=28V, Max Output Voltage=23.8V, Min Input Voltage=2V, Min Output Voltage=0.6V, Output Current=8A
U2: library part CMP-00273-2-4, "IC PWR SWTCH N-CHAN 1:1 28HTSSOP"
U3: library part CMP-001-0001-5, "Current Sense Amplifier 1 Circuit Rail-to-Rail SOT-23-5", Case/Package=SOT-23-5, Input Offset Voltage (Vos)=100uV, Max Operating Temperature=125°C, Min Operating Temperature=-40°C, Operating Supply Current=260uA, -3db Bandwidth=350kHz, Mount="Surface Mount"
U4: library part CMP-00304-2, "IC REG LINEAR 5V 500MA SOT223-3", Dropout Voltage1-Nom=210mV, Max Supply Voltage=6V, Output Current1-Max=500mA, Output Voltage1-Nom=5V, Adjustability=FIXED
U5: library part CMP-00225-4, "IC REG LINEAR 3.3V 500MA SOT23-5"
U6: library part CMP-00224-6, "IC MCU 32BIT 256KB FLSH 32UFQFPN"
U7: library part CMP-00219-3, "IC TRANSCEIVER HALF 1/1 8HVSON"
U8: library part CMP-00294-3, "LED Neopixel 2mm"
X1: library part CMP-00242-3, "OSC XO 8.000MHZ CMOS SMD", Frequence Stability=25ppm, Frequency=8MHz

## Via types
v1: diameter 0.5, hole 0.25, L01_SIG to L04_GND, tented both sides, 423 vias

## Nets (pads, with @x,y where several pads share a name; then routed paths per layer and width w, separated by ;. In a path a pad name is that pad's centre, name@x,y a point inside that pad or via, vN(x,y) a via of type N, cw(c..) or ccw(c..) an arc to the next point about the centre after c; other vN are vias at no path point)
ADC1_IN6: C8.2 R3.1 R7.2 U6.7 | length 56
  L01_SIG w0.127: U6.7@49.853,59.456 49.927,59.382 49.927,59.068 50.103,58.892 50.858,58.892 52.271,57.479 v1(52.271,54.8) ; R3.1@91.75,68.45 R3.1@91.775,68.425 ; v1(91.8,67.3) 91.8,68.4 R3.1@91.775,68.425 ; C8.2@95.75,68.4 95.725,68.425 R3.1@91.775,68.425
  L03_SIG w0.127: v1(52.271,54.8) 57,54.8 58.15,55.95 61.074,55.95 61.574,56.45 63.95,56.45 70.25,62.75 79.623,62.75 84.173,67.3 v1(91.8,67.3)
ADC1_IN7: C22.2 R17.1 R20.2 U6.8 | length 31.2
  L01_SIG w0.127: U6.8@50.353,59.456 50.994,59.456 53,57.45 v1(53,54.1) ; v1(71.3,55.35) 72.467,55.35 C22.2@72.64,55.177 ; C22.2@72.645,55.182 72.645,57.2 72.645,59.245 R17.1@72.65,59.25
  L03_SIG w0.127: v1(53,54.1) 56.71,54.1 57.976,55.365 61.459,55.365 61.517,55.307 63.217,55.307 63.275,55.365 71.285,55.365 v1(71.3,55.35)
ADC1_IN8: C23.2 R18.1 R21.2 U6.9 | length 7.2
  L01_SIG w0.127: U6.9@50.953,60.056 51.103,60.056 51.459,59.7 C23.2@54.3,59.7 54.325,59.725 54.325,61.475 R21.2@54.35,61.5 R18.1@54.35,63.35
ADC1_IN9: C24.2 R19.1 R22.2 U6.10 | length 40.2
  L01_SIG w0.127: U6.10@50.953,60.556 50.956,60.553 51.847,60.553 v1(51.85,60.55) ; R19.1@77.3,77.587 77.325,77.562 77.325,73.68 C24.2@77.35,73.655 77.4,73.605 v1(77.4,72.4)
  L03_SIG w0.127: v1(51.85,60.55) 51.254,60.55 51.18,60.624 51.18,64.58 53.335,66.735 54.635,66.735 56.8,68.9 70.3,68.9 73.8,72.4 v1(77.4,72.4)
BOOT0: R28.2 U6.31 | length 2.6
  L01_SIG w0.127: R28.2@43.9,60.65 44.292,60.257 45.583,60.257 45.795,60.469 46.167,60.469 U6.31@46.253,60.556
CAN1_RX: R24.2 U6.21 | length 16.3
  L01_SIG w0.127: R24.2@41,57.7 41.7,57.7 41.95,57.95 41.95,63.15 45.6,66.8 47.4,66.8 48.353,65.847 U6.21@48.353,64.156
CAN1_TX: R23.2 U6.22 | length 24.1
  L01_SIG w0.127: R23.2@35,57.7 35,56.9 35.9,56 41.5,56 42.3,56.8 42.3,63.15 45.65,66.5 47.2,66.5 47.94,65.76 47.94,64.467 47.94,64.242 U6.22@47.853,64.156
CAN_H: C31.2 D2.2 FL1.2 J3.2 J5.2 R26.2 | length 49.8
  L01_SIG w0.127: C31.2@35.5,70.85 35.929,70.421 35.929,70.296 37.5,68.725 FL1.2@37.5,68.5 ; C31.2@35.5,70.854 35.1,71.254 35.1,73.35 36.05,74.3 R26.2@36.1,74.3 36.855,74.3 37.21,74.654 37.464,74.654 37.6,74.791 D2.2@37.6,74.85 37.6,74.925 41.675,79 61.15,79 ; J3.2@61.125,81.024 61.15,80.999 61.15,79 ; v1(70.24,78.95) 70.19,79 61.15,79 ; J5.2@72.625,81.024 72.7,80.949 v1(72.7,79.4)
  L03_SIG w0.127: v1(70.24,78.95) 71.118,78.95 71.568,79.4 v1(72.7,79.4)
CAN_H_FILT: C33.2 FL1.3 U7.7 | length 3.7
  L01_SIG w0.127: C33.2@35.5,65.55 35.54,65.51 37.44,65.51 FL1.3@37.5,65.45 37.675,65.275 U7.7@37.675,63.837
CAN_L: C30.2 D2.1 FL1.1 J3.3 J5.3 R25.2 | length 48.5
  L01_SIG w0.127: FL1.1@38.5,68.5 38.5,68.725 40.071,70.296 40.071,70.421 C30.2@40.5,70.85 40.898,71.248 40.898,73.352 39.95,74.3 R25.2@39.9,74.3 39.145,74.3 38.791,74.654 38.537,74.654 38.4,74.791 D2.1@38.4,74.85 38.441,74.891 38.441,75.241 41.75,78.55 59.8,78.55 v1(59.85,78.5) 70.7,78.5 71.375,79.175 J5.3@71.375,81.124 ; v1(59.85,79.45) 59.85,80.999 J3.3@59.875,81.024
  L03_SIG w0.127: v1(59.85,78.5) v1(59.85,79.45)
CAN_L_FILT: C32.2 FL1.4 U7.6 | length 3.7
  L01_SIG w0.127: U7.6@38.325,63.837 38.325,65.275 FL1.4@38.5,65.45 38.56,65.51 40.46,65.51 C32.2@40.5,65.55
CSENSE_OUT: C16.2 R9.2 U6.13 | length 26.3
  L01_SIG w0.127: U6.13@50.953,62.056 51.026,62.129 51.829,62.129 v1(51.9,62.2) ; C16.2@72.34,64.527 72.317,64.55 71.5,64.55 71.25,64.8 v1(71.25,65.5) 71.3,65.55 71.3,66.2 71.55,66.45 R9.2@72.4,66.45
  L03_SIG w0.127: v1(51.9,62.2) 51.9,63.5 53.6,65.2 70.95,65.2 v1(71.25,65.5)
DI_A: Q1.D R31.1 U8.3 | length 4.5
  L01_SIG w0.127: U8.3@46.295,50.959 47.531,49.723 47.559,49.723 R31.1@47.995,49.288 ; Q1.D@49.75,50 48.751,50 48.474,49.723 48.431,49.723 R31.1@47.995,49.288 ; R31.1@47.995,49.288 R31.1@47.995,49.244 R31.1@47.995,49.288